# Altium PCB PCB_Layout_1.PcbDoc (part 2 of 3) (continued)
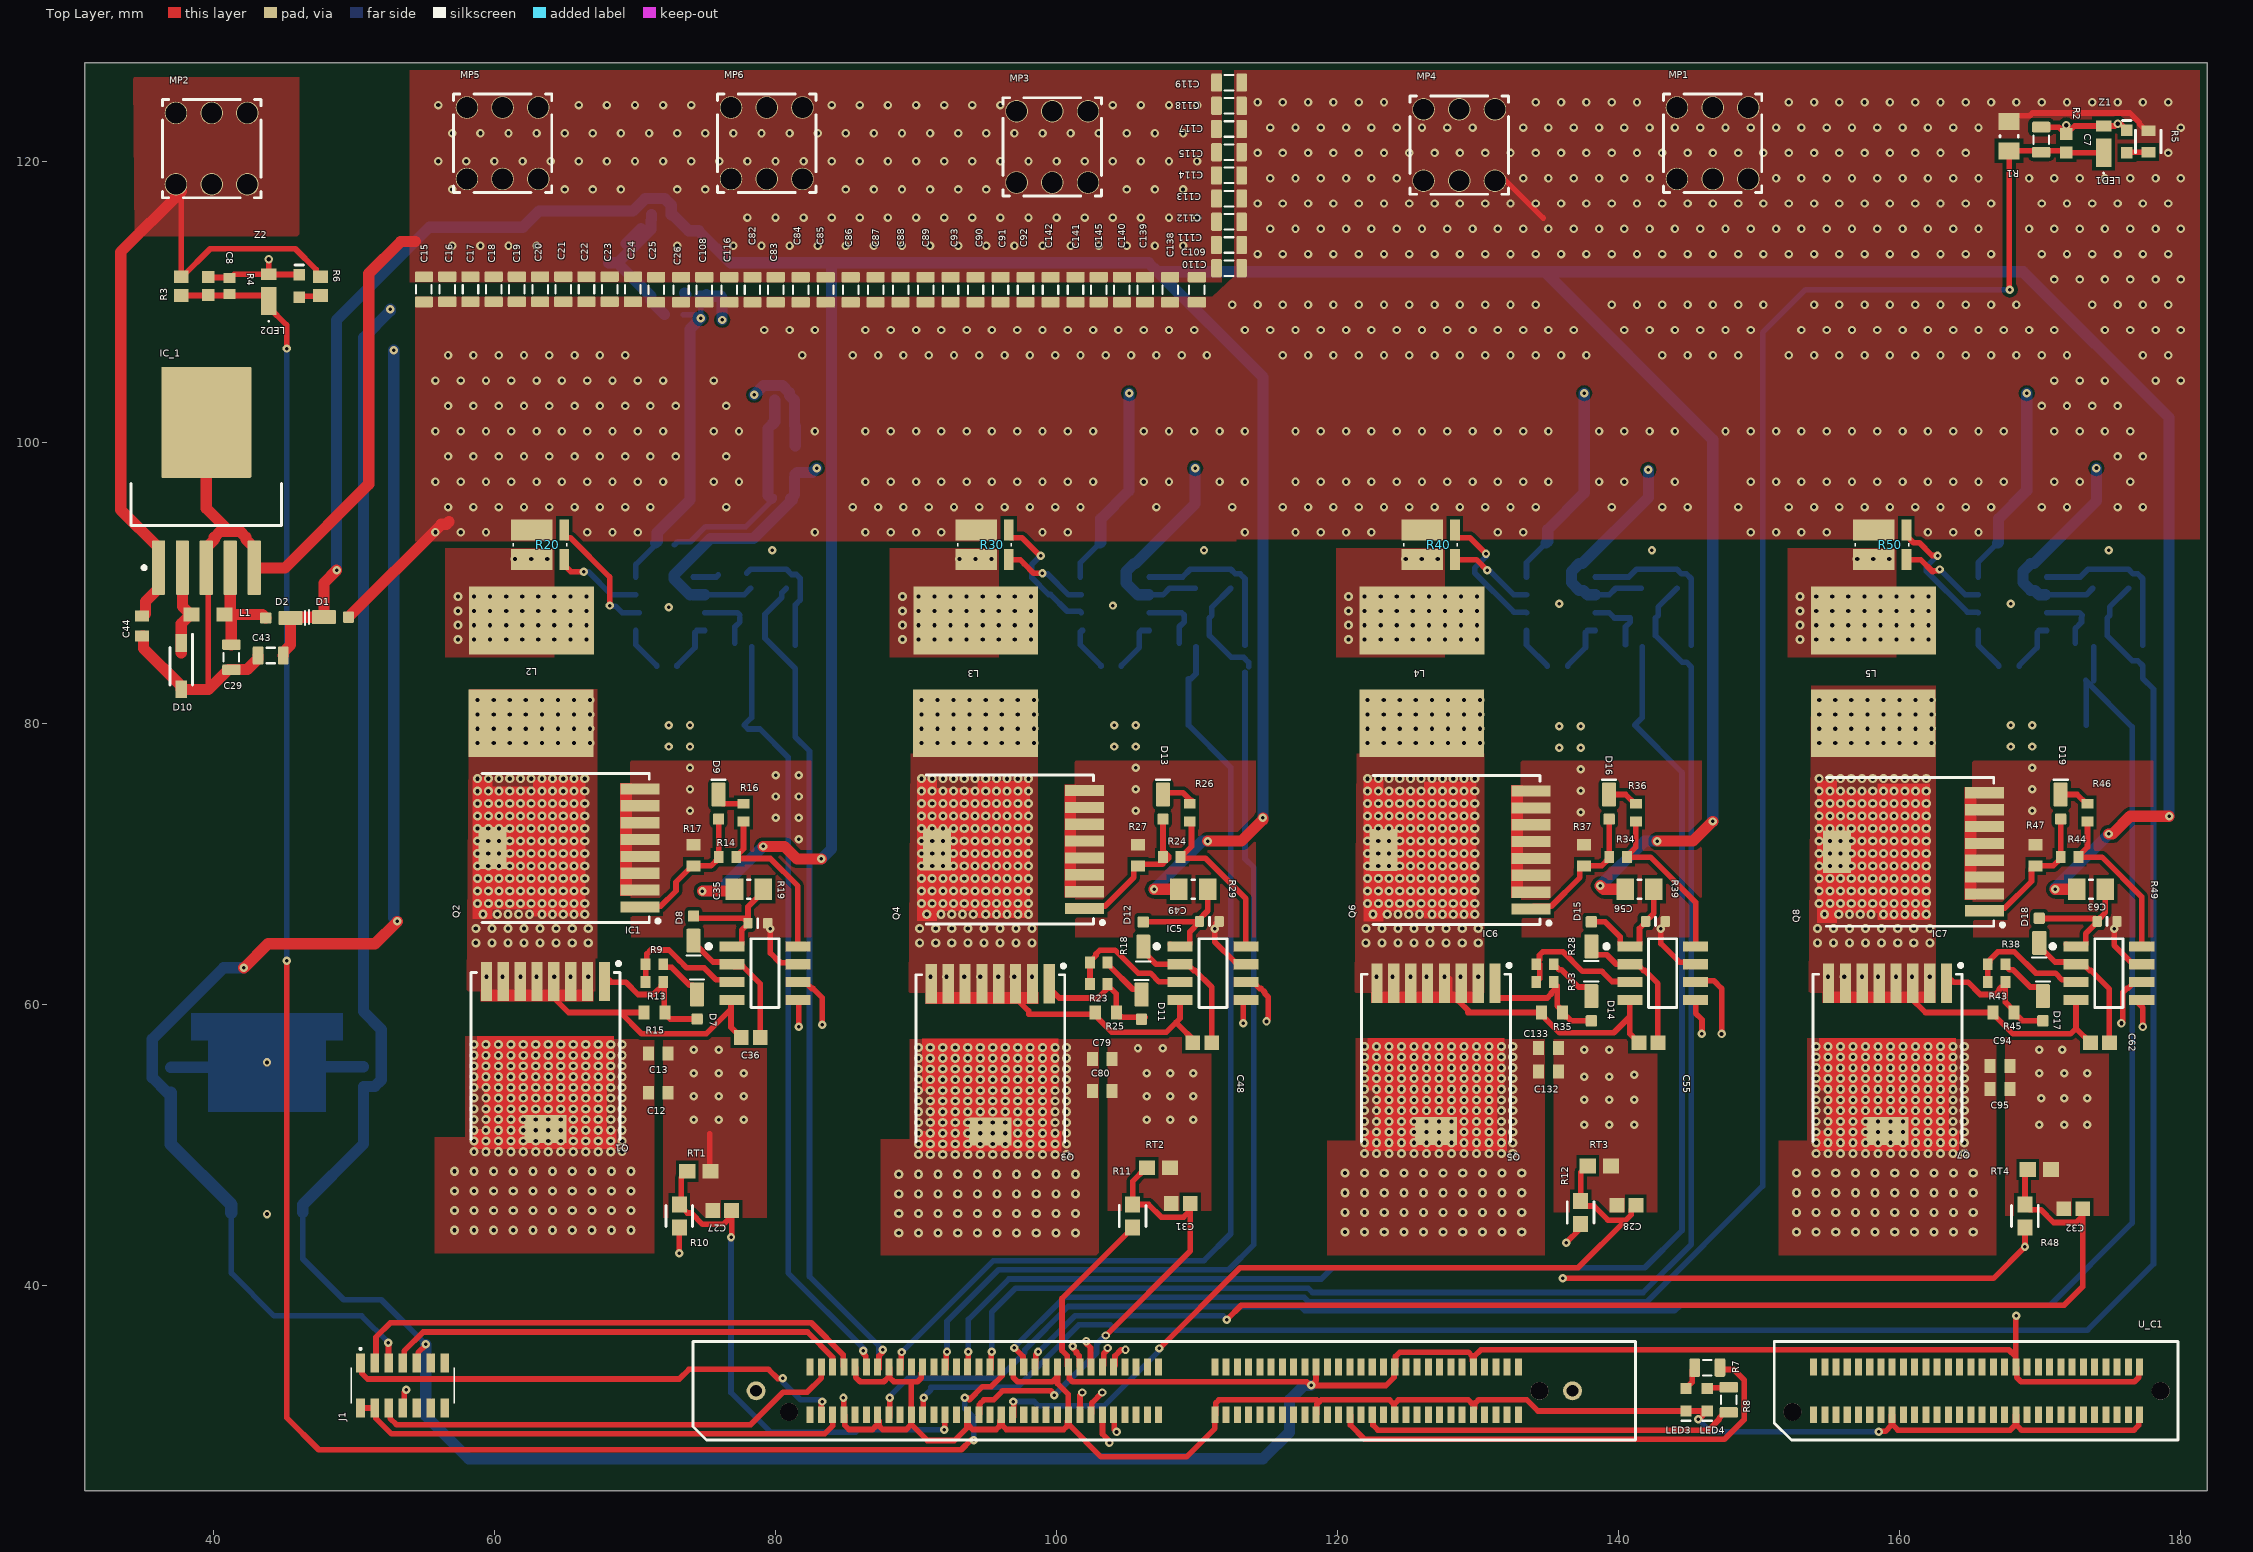
[diagram p0: Top Layer view]
## Nets (pads, with @x,y where several pads share a name; then routed paths per layer and width w, separated by ;. In a path a pad name is that pad's centre, name@x,y a point inside that pad or via, vN(x,y) a via of type N, cw(c..) or ccw(c..) an arc to the next point about the centre after c; other vN are vias at no path point) (continued)
AIN_12V: C7.2 R1.2 R2.2 U_C1.40 Z1.1 | length 156.3
  Top Layer w0.4: v5(96.978,35.56) 97.007,35.56 97.613,34.954 97.613,34.138 U_C1.40@97.663,34.088 ; v5(167.82,110.871) 167.778,110.914 R1.2@167.778,120.742 C7.2@171.842,120.742 ; C7.2@171.842,120.611 Z1.1@174.509,120.611
  Bottom Layer w0.4: v5(96.978,35.56) 96.978,35.596 100.547,39.165 117.625,39.165 117.939,38.851 142.011,38.851 150.241,47.081 150.241,107.823 153.289,110.871 v5(167.82,110.871)
AIN_48V: C8.2 R3.1 R4.2 U_C1.36 Z2.1 | length 143.6
  Top Layer w0.4: R3.1@37.719,110.45 43.592,110.45 43.942,110.1 Z2.1@43.942,110.071 43.942,109.621 45.212,108.351 v4(45.212,106.68) ; v4(45.212,63.119) 45.212,30.607 47.498,28.321 93.218,28.321 93.901,29.004 v4(94.107,29.004) ; v5(93.472,32.004) 93.668,32.004 93.795,31.877 94.725,32.807 95.35,32.807 96.115,33.572 U_C1.36@96.115,34.036
  Bottom Layer w0.4: v4(45.212,63.119) v4(45.212,106.68) ; v5(93.472,32.004) 93.472,31.242 94.107,30.607 v4(94.107,29.004)
GND: C1.2 C2.2 C3.2 C4.2 C5.2 C6.2 C7.1 C8.1 C9.2 C10.2 C11.2 C12.2 C13.2 C14.2 C15.2 C16.2 C17.2 C18.2 C19.2 C20.2 C21.2 C22.2 C23.2 C24.2 C25.2 C26.2 C27.2 C28.2 C29.2 C30.2 C31.2 C32.2 C33.2 C34.2 C35.1 C38.2 C39.2 C40.2 C41.2 C42.2 C43.2 C44.2 C45.2 C46.2 C47.2 C49.1 C51.2 C52.2 C53.2 C54.2 C56.1 C58.2 C59.2 C60.2 C61.2 C63.1 C65.2 C66.2 C67.2 C68.2 C69.2 C70.2 C71.2 C72.2 C73.2 C74.2 C75.2 C76.2 C77.2 C78.2 C79.2 C80.2 C81.2 C82.2 C83.2 C84.2 C85.2 C86.2 C87.2 C88.2 C89.2 C90.2 C91.2 C92.2 C93.2 C94.2 C95.2 C96.2 C97.2 C98.2 C99.2 C100.2 C101.2 C102.2 C103.2 C104.2 C105.2 C106.2 C107.2 C108.2 C109.2 C110.2 C111.2 C112.2 C113.2 C114.2 C115.2 C116.2 C117.2 C118.2 C119.2 C120.2 C121.2 C122.2 C123.2 C124.2 C125.2 C126.2 C127.2 C128.2 C129.2 C130.2 C131.2 C132.2 C133.2 C138.2 C139.2 C140.2 C141.2 C142.2 C145.2 D10.2 IC1.7 IC5.7 IC6.7 IC7.7 IC_1.3 IC_1.5 IC_1.6 IC_2.2 IC_2.4 IC_3.4 IC_4.3 J1.8 LED1.1 LED2.1 LED3.1 LED4.1 MP3.1 MP5.1 MP6.1 Q2.2 Q2.3 Q2.4 Q2.5 Q2.6 Q2.7 Q2.8 Q4.2 Q4.3 Q4.4 Q4.5 Q4.6 Q4.7 Q4.8 Q6.2 Q6.3 Q6.4 Q6.5 Q6.6 Q6.7 Q6.8 Q8.2 Q8.3 Q8.4 Q8.5 Q8.6 Q8.7 Q8.8 R2.1 R4.1 R17.2 R27.2 R37.2 R47.2 RT1.2 RT2.2 RT3.2 RT4.2 U1.5 U2.5 U3.5 U4.5 U_C1.7 U_C1.10 U_C1.13 U_C1.16 U_C1.19 U_C1.22 U_C1.29 U_C1.35 U_C1.38 U_C1.46 U_C1.47 U_C1.65 U_C1.83 U_C1.97 U_C1.111 U_C1.135 U_C1.157 U_C1.179 Z1.2 Z2.2 Z3.2 Z4.2 Z5.2 Z6.2 Z7.2 Z8.2 Z9.2 Z10.2 | length 354.4
  Top Layer w0.4: IC_1.3@39.497,91.082 39.624,90.955 39.624,82.45 39.65,82.424 ; C8.1@39.624,111.775 39.662,111.738 41.26,111.738 41.494,111.971 Z2.2@43.942,111.971 ; IC_1.5@42.897,91.059 IC_1.5@42.897,92.532 ; v2(43.942,113.03) 43.929,113.017 43.929,111.984 Z2.2@43.942,111.971 ; LED2.1@46.101,111.925 46.078,111.948 43.965,111.948 Z2.2@43.942,111.971 ; J1.8@53.467,31.292 53.572,31.397 53.572,32.398 53.721,32.547 v5(53.721,32.601) ; 75.311,50.8 75.311,48.271 RT1.2@75.525,48.057 ; C35.1@79.44,65.736 C35.1@79.44,65.786 ; v4(79.629,65.405) 79.629,63.662 80.299,62.992 80.391,62.992 80.404,62.979 81.474,62.979 IC1.7@81.588,62.865 ; v5(84.836,32.004) 84.85,31.99 84.85,30.826 U_C1.7@84.863,30.812 84.913,30.762 84.913,30.07 85.225,29.758 86.901,29.758 87.167,30.024 ; U_C1.10@85.663,34.212 85.713,34.162 85.713,33.47 86.025,33.158 87.701,33.158 88.013,33.47 ; U_C1.13@87.263,30.812 87.263,30.462 87.359,30.366 87.359,30.024 87.625,29.758 89.301,29.758 89.613,30.07 89.613,30.762 U_C1.19@89.663,30.812 89.663,33.032 89.789,33.158 ; U_C1.16@88.063,34.212 88.113,34.162 88.113,33.47 88.425,33.158 89.789,33.158 ; 89.713,30.07 90.808,28.975 92.729,28.975 93.613,29.859 93.613,30.762 U_C1.29@93.663,30.812 93.713,30.762 93.713,30.07 94.025,29.758 95.701,29.758 95.967,30.024 95.967,30.366 96.063,30.462 U_C1.35@96.063,30.812 96.113,30.762 96.113,30.07 96.425,29.758 100.501,29.758 100.767,30.024 100.767,30.366 100.817,30.416 100.913,30.416 100.913,30.07 103.17,27.813 109.24,27.813 111.263,29.836 U_C1.65@111.263,30.812 ; U_C1.22@90.463,34.212 90.463,33.862 90.367,33.766 90.367,33.424 90.101,33.158 89.789,33.158 ; U_C1.38@96.863,34.212 96.913,34.162 96.913,33.47 97.225,33.158 99.701,33.158 99.967,33.424 ; U_C1.46@100.063,34.212 100.063,33.033 100.838,32.258 100.838,30.837 U_C1.47@100.863,30.812 ; v4(111.252,65.405) 111.252,64.456 112.683,63.025 113.305,63.025 IC5.7@113.465,62.865 ; U_C1.65@111.313,30.812 111.313,31.632 111.547,31.866 118.513,31.866 118.669,31.71 ; C49.1@111.317,65.736 C49.1@111.317,65.786 ; U_C1.83@118.463,30.812 118.513,30.862 118.513,31.554 118.669,31.71 ; U_C1.97@124.063,30.812 124.013,30.862 124.013,31.554 ; 129.613,31.554 129.301,31.866 124.325,31.866 124.013,31.554 ; U_C1.111@129.663,30.812 129.663,31.162 129.759,31.258 129.759,31.6 130.025,31.866 133.469,31.866 134.258,31.077 LED3.1@144.78,31.077 LED4.1@146.304,31.077 145.707,30.48 v5(145.669,30.48) ; v4(143.002,65.405) 143.002,64.338 144.323,63.017 145.317,63.017 IC6.7@145.469,62.865 ; v5(158.496,29.591) 158.534,29.629 158.972,29.629 159.413,30.07 159.413,30.762 U_C1.135@159.463,30.812 159.513,30.762 159.513,30.07 159.865,29.718 167.862,29.718 168.214,30.07 168.214,30.762 U_C1.157@168.264,30.812 168.314,30.762 168.314,30.07 168.666,29.718 176.663,29.718 177.015,30.07 177.015,30.762 U_C1.179@177.065,30.812 ; R2.1@170.064,122.438 171.314,122.438 171.591,122.16 171.816,121.934 C7.1@171.842,121.934 ; v2(171.842,122.562) C7.1@171.842,121.934 ; v4(175.26,65.405) 175.26,64.202 176.437,63.025 177.059,63.025 IC7.7@177.219,62.865 ; v2@175.289,122.511 Z1.2@174.509,122.511 172.444,122.511 171.867,121.934 C7.1@171.842,121.934 ; v2(175.514,122.682) 175.552,122.644 175.727,122.644 LED1.1@176.16,122.211 ; 118.669,31.71 118.825,31.866 123.701,31.866 124.013,31.554
  Top Layer w0.8: C44.2@34.925,86.231 35.01,86.231 35.02,86.221 35.02,85.348 37.719,82.649 D10.2@37.719,82.424 39.65,82.424 41.065,83.839 42.412,83.839 43.179,84.606 C43.2@43.179,84.836 ; IC_1.3@39.497,91.082 39.497,92.532 40.068,93.103 40.068,93.247 40.482,93.661 41.125,93.661 ; IC_1.6@39.497,101.432 39.497,95.289 41.125,93.661 ; IC_1.5@42.897,91.059 45.085,91.059 51.054,97.028 51.054,112.014 53.34,114.3 54.356,114.3 ; IC_1.5@42.897,92.532 42.326,93.103 42.326,93.247 41.912,93.661 41.125,93.661
  Int2 (PWR) w0.4: v5(53.721,32.601) 53.759,32.639 73.859,32.639 74.86,33.64 79.216,33.64 80.205,32.651 84.189,32.651 v5(84.836,32.004)
  Bottom Layer w0.4: C40.2@72.811,92.71 73.022,92.921 73.936,92.921 75.027,94.011 77.887,94.011 79.891,96.015 C46.2@79.891,96.111 ; U1.5@74.148,90.424 U1.5@74.994,90.424 75.786,90.424 75.924,90.563 ; C41.2@77.946,90.686 C41.2@78.232,90.972 C39.2@80.772,90.972 81.143,90.601 81.485,90.601 81.751,90.335 81.751,88.785 81.407,88.441 Z4.2@81.407,85.555 ; U2.5@106.59,90.424 108.965,90.424 109.513,90.972 C52.2@112.395,90.972 112.72,90.647 113.062,90.647 113.411,90.298 Z6.2@113.411,85.555 ; U3.5@138.34,90.424 140.715,90.424 141.263,90.972 C59.2@144.145,90.972 144.47,90.647 144.812,90.647 145.161,90.298 Z8.2@145.161,85.555 ; v5(145.669,30.48) 146.558,29.591 v5(158.496,29.591) ; U4.5@170.471,90.424 172.846,90.424 173.394,90.972 C66.2@176.276,90.972 176.601,90.647 176.943,90.647 177.292,90.298 Z10.2@177.292,85.555
  Bottom Layer w0.8: C33.2@36.957,55.511 36.977,55.531 43.466,55.531 v2(43.815,55.88) ; IC_2.4@44.431,56.496 v2(43.815,55.88) ; C30.2@50.673,55.564 44.131,55.564 v2(43.815,55.88) ; IC_3.4@68.131,112.776 IC_3.4@68.756,112.776 ; IC_3.4@69.371,114.144 IC_3.4@70.433,115.207 ; C34.2@71.182,116.205 71.182,115.827 71.131,115.776 71.131,115.151 IC_3.4@68.756,112.776 ; C47.2@72.096,109.093 71.131,110.058 71.131,110.401 IC_3.4@68.756,112.776 ; C46.2@79.691,96.007 79.468,96.23 79.468,100.991 79.945,101.468 C45.2@79.945,102.992
  other v2: 43.815,45.085 57,114 59,114 61,114 63,114 73,114 77,114 79,114 81,114 83,114 85,114 87,114 89,114 91,114 93,114 95,114 97,114 99,114 101,114 103,114 105,114 107,114 109,114 78,116 80,116 82,116 84,116 86,116 88,116 90,116 92,116 94,116 96,116 98,116 100,116 102,116 104,116 106,116 108,116 110,116 57,118 65,118 67,118 69,118 73,118 75,118 85,118 87,118 89,118 91,118 93,118 95,118 105,118 107,118 109,118 56,120 58,120 60,120 62,120 64,120 66,120 68,120 70,120 72,120 74,120 76,120 78,120 80,120 82,120 84,120 86,120 88,120 90,120 92,120 94,120 96,120 98,120 100,120 102,120 104,120 106,120 108,120 110,120 57,122 59,122 61,122 63,122 65,122 67,122 69,122 71,122 73,122 75,122 77,122 79,122 81,122 83,122 85,122 87,122 89,122 91,122 93,122 95,122 97,122 99,122 101,122 103,122 105,122 107,122 109,122 56,124 66,124 68,124 70,124 72,124 74,124 84,124 86,124 88,124 90,124 92,124 94,124 96,124 104,124 106,124 108,124 110,124
  other v4: 137.541,51.435 139.319,51.435 141.097,51.435 169.926,51.435 171.704,51.435 173.355,51.435 74.168,51.816 75.946,51.816 77.724,51.816 106.426,51.816 108.077,51.816 109.728,51.816 137.541,53.213 139.319,53.213 141.097,53.213 170.053,53.34 171.704,53.34 173.355,53.34 74.168,53.467 75.946,53.467 77.724,53.467 106.426,53.467 108.077,53.467 109.728,53.467 137.541,54.864 139.319,54.864 141.097,54.991 74.168,55.118 75.946,55.118 77.724,55.118 106.426,55.118 108.077,55.118 109.728,55.118 169.926,55.118 171.704,55.118 173.355,55.118 74.168,56.769 75.946,56.769 137.541,56.769 139.319,56.769 169.926,56.769 171.577,56.769 105.791,56.896 107.569,56.896 81.661,71.755 80.01,73.279 81.661,73.279 137.287,73.697 73.914,73.787 105.627,73.787 169.418,73.787 80.01,74.803 81.661,74.803 137.287,75.221 73.914,75.311 105.627,75.311 169.418,75.311 80.01,76.327 81.661,76.327 137.287,76.745 73.914,76.835 105.627,76.835 169.418,76.835 135.763,78.269 137.287,78.269 72.39,78.359 73.914,78.359 104.103,78.359 105.627,78.359 167.894,78.359 169.418,78.359 135.763,79.793 137.287,79.793 72.39,79.883 73.914,79.883 104.103,79.883 105.627,79.883 167.894,79.883 169.418,79.883 72.39,88.265 104.013,88.392 135.763,88.519 167.894,88.519 79.756,92.329 110.49,92.329 142.367,92.329 174.879,92.329
"Green Led": R7.1 U_C1.89 | length 34.7
  Top Layer w0.4: U_C1.89@120.863,30.812 120.913,30.762 120.913,30.07 121.919,29.064 147.531,29.064 148.932,30.465 148.932,33.279 148.184,34.027 147.34,34.027 R7.1@147.204,34.163
IL_1: C38.1 R21.2 U_C1.12 Z3.1 | length 56
  Top Layer w0.4: v5(86.233,35.369) 86.233,35.179 86.419,34.993 86.419,34.132 U_C1.12@86.515,34.036
  Bottom Layer w0.4: R21.2@78.301,85.471 78.301,83.185 78.301,80.42 C38.1@77.764,79.883 78.04,79.607 78.889,79.607 80.899,77.597 80.899,41.91 80.899,40.894 86.36,35.433 v5@86.36,35.179
IL_2: C51.1 R31.2 U_C1.18 Z5.1 | length 71.7
  Top Layer w0.4: U_C1.18@88.915,34.036 88.959,34.08 88.959,35.238 v5(88.993,35.272)
  Bottom Layer w0.4: v5@88.9,35.179 v5(88.993,35.272) 95.502,41.781 110.488,41.781 112.395,43.688 112.395,76.875 C51.1@109.387,79.883 109.387,83.183 109.385,83.185 109.574,83.185 109.924,83.535 R31.2@109.924,85.471
IL_3: C58.1 R41.2 U_C1.30 Z7.1 | length 100.1
  Top Layer w0.4: U_C1.30@93.715,34.036 93.726,34.047 v5(93.726,35.306)
  Bottom Layer w0.4: v5(93.726,35.306) 93.726,37.592 96.607,40.473 118.832,40.473 119.626,41.267 141.851,41.267 144.507,43.923 144.507,76.513 C58.1@141.137,79.883 141.674,80.42 R41.2@141.674,85.471
IL_4: C65.1 R51.2 U_C1.15 Z9.1 | length 140.8
  Top Layer w0.4: U_C1.15@88.115,30.636 88.127,30.648 88.127,31.993 v5(88.138,32.004)
  Bottom Layer w0.4: v5@88.138,32.131 89.419,33.412 95.896,33.412 97.732,35.248 97.732,35.425 100.818,38.511 117.354,38.511 117.668,38.197 143.972,38.197 144.375,38.6 170.68,38.6 176.53,44.45 176.53,79.756 Z9.1@173.268,83.018 ; Z9.1@173.228,83.058 Z9.1@173.268,83.018 ; C65.1@173.268,79.883 Z9.1@173.268,83.018 ; Z9.1@173.805,83.058 R51.2@173.805,85.471
IL_AVG_1: C39.1 R22.2 U_C1.14 Z4.1 | length 60
  Top Layer w0.4: U_C1.14@87.315,34.036 87.359,34.08 87.359,35 87.63,35.271 v5(87.63,35.433)
  Bottom Layer w0.4: C39.1@80.772,89.622 80.447,89.297 80.447,88.971 79.249,87.773 79.249,86.066 81.407,83.908 Z4.1@81.407,83.655 81.407,79.04 82.415,78.032 82.415,41.529 82.415,40.648 87.36,35.703 87.36,35.163
IL_AVG_2: C52.1 R32.2 U_C1.26 Z6.1 | length 76.4
  Top Layer w0.4: U_C1.26@92.115,34.036 92.159,34.08 92.159,35.263 v5(92.202,35.306)
  Bottom Layer w0.4: v5(92.202,35.306) 92.202,37.465 95.864,41.127 112.247,41.127 114.038,42.918 114.038,69.75 113.411,70.377 Z6.1@113.411,83.655 ; C52.1@112.395,89.622 111.052,88.279 111.052,87.683 R32.2@110.872,87.503 110.872,86.263 112.434,84.701 113.315,84.701 113.665,84.351 Z6.1@113.665,84.036
IL_AVG_3: C59.1 R42.2 U_C1.34 Z8.1 | length 104.7
  Top Layer w0.4: U_C1.34@95.315,34.036 95.359,34.08 95.359,35.288 v5(95.377,35.306)
  Bottom Layer w0.4: v5(95.377,35.306) 95.377,38.1 97.096,39.819 117.896,39.819 118.21,39.505 141.74,39.505 145.161,42.926 145.161,84.016 144.811,84.366 144.509,84.366 142.622,86.253 R42.2@142.622,87.503 142.802,87.683 142.802,88.279 C59.1@144.145,89.622
IL_AVG_4: C66.1 R52.2 U_C1.21 Z10.1 | length 143.7
  Top Layer w0.4: U_C1.21@90.515,30.636 90.515,31.984 v5(90.543,32.012)
  Bottom Layer w0.4: v5(90.543,32.012) 90.543,32.066 91.043,32.566 91.043,32.758 97.197,32.758 100.384,35.945 100.384,36.007 101.58,37.203 103.817,37.203 104.19,36.83 173.355,36.83 178.054,41.529 178.054,82.443 177.292,83.205 Z10.1@177.292,83.655 177.292,84.105 176.942,84.455 176.551,84.455 174.753,86.253 R52.2@174.753,87.503 174.933,87.683 174.933,88.279 C66.1@176.276,89.622
JTAG-EMU0: U_C1.2
JTAG-EMU1: U_C1.1
JTAG-TCK: J1.2 J1.4 U_C1.5 | length 35.7
  Top Layer w0.4: J1.2@50.467,31.292 J1.4@51.467,31.292 51.572,31.187 51.572,30.555 52.679,29.448 83.492,29.448 84.065,30.021 U_C1.5@84.065,30.713
JTAG-TDI: J1.3 U_C1.8 | length 37.4
  Top Layer w0.4: J1.3@51.467,34.494 51.572,34.599 51.572,36.332 52.597,37.357 82.538,37.357 84.813,35.082 84.813,34.265 U_C1.8@84.865,34.213
JTAG-TDO: J1.7 U_C1.6 | length 33.4
  Top Layer w0.4: J1.7@53.467,34.494 53.572,34.599 53.572,35.334 54.933,36.695 82.275,36.695 84.065,34.905 U_C1.6@84.065,34.213
JTAG-TMS: J1.1 U_C1.3 | length 36.1
  Top Layer w0.4: J1.1@50.467,34.494 50.572,34.389 50.572,33.757 50.974,33.355 73.15,33.355 73.831,34.036 79.502,34.036 80.159,33.379 80.491,33.379 v4(80.517,33.405) ; v5(83.312,31.75) 83.265,31.703 83.265,30.686 U_C1.3@83.315,30.636
  Bottom Layer w0.4: v4(80.517,33.405) 80.518,33.404 80.518,33.147 81.788,31.877 v5@83.185,31.877
JTAG-TRSTn: J1.6 U_C1.4 | length 33.7
  Top Layer w0.4: J1.6@52.467,31.292 52.572,31.187 52.572,30.555 53.025,30.102 78.235,30.102 80.551,32.418 82.262,32.418 83.265,33.421 U_C1.4@83.265,34.113
NetC29_1: C29.1 D2.2 IC_1.4 L1.2 | length 8.2
  Top Layer w0.8: L1.2@40.799,87.757 L1.2@40.974,87.757 ; IC_1.4@41.197,91.082 41.197,88.08 40.974,87.857 L1.2@40.974,87.757 ; C29.1@41.275,85.609 L1.2@41.275,87.356 ; D2.2@43.731,87.503 43.477,87.757 L1.2@40.974,87.757
NetC35_2: C35.2 D8.2 IC1.1 R19.2 | length 9.4
  Top Layer w0.4: D8.2@74.295,66.139 77.737,66.139 78.04,65.836 C35.2@78.04,65.786 ; IC1.1@76.908,64.135 77.438,64.135 77.598,64.295 77.598,65.294 78.04,65.736 C35.2@78.04,65.786 ; C35.2@77.943,65.689 C35.2@78.04,65.786 ; R19.2@79.13,68.199 79.13,68.049 78.04,66.959 C35.2@78.04,65.786
NetC36_1: C36.1 IC1.4 L2.1 Q1.2 Q1.3 Q1.4 Q1.5 Q1.6 Q1.7 Q1.8 Q2.9 R15.2 | length 19.6
  Top Layer w0.4: Q1.4@64.135,60.579 65.278,59.436 68.961,59.436 ; R15.2@70.636,59.436 68.961,59.436 ; IC1.4@76.487,60.325 IC1.4@76.908,60.325 76.835,60.252 76.835,59.69 ; C36.1@77.557,57.658 76.835,58.38 76.835,59.69 ; 68.961,59.436 70.485,57.912 75.057,57.912 76.835,59.69
  other v1: 59.436,61.976 60.579,61.976 61.849,61.976 62.992,61.976 64.262,61.976 65.405,61.976 66.675,61.976 58.674,64.389 59.817,64.389 60.96,64.389 62.103,64.389 63.246,64.389 64.389,64.389 65.532,64.389 66.675,64.389 58.674,65.405 59.817,65.405 60.96,65.405 62.103,65.405 63.246,65.405 64.389,65.405 65.532,65.405 66.675,65.405 59.182,66.421 60.198,66.421 60.96,66.421 61.722,66.421 62.484,66.421 63.373,66.421 64.135,66.421 64.897,66.421 65.659,66.421 66.421,66.421 58.801,67.183 59.563,67.183 60.325,67.183 61.087,67.183 61.849,67.183 62.611,67.183 63.373,67.183 64.135,67.183 64.897,67.183 65.659,67.183 66.421,67.183 58.801,68.072 59.563,68.072 60.325,68.072 61.087,68.072 61.849,68.072 62.611,68.072 63.373,68.072 64.135,68.072 64.897,68.072 65.659,68.072 66.421,68.072 58.801,68.961 59.563,68.961 60.325,68.961 61.087,68.961 61.849,68.961 62.611,68.961 63.373,68.961 64.135,68.961 64.897,68.961 65.659,68.961 66.421,68.961 58.801,69.85 59.563,69.85 60.325,69.85 61.087,69.85 61.849,69.85 62.611,69.85 63.373,69.85 64.135,69.85 64.897,69.85 65.659,69.85 66.421,69.85 58.801,70.739 59.563,70.739 60.325,70.739 61.087,70.739 61.849,70.739 62.611,70.739 63.373,70.739 64.135,70.739 64.897,70.739 65.659,70.739 66.421,70.739 58.801,71.628 59.563,71.628 60.325,71.628 61.087,71.628 61.849,71.628 62.611,71.628 63.373,71.628 64.135,71.628 64.897,71.628 65.659,71.628 66.421,71.628 58.801,72.517 59.563,72.517 60.325,72.517 61.087,72.517 61.849,72.517 62.611,72.517 63.373,72.517 64.135,72.517 64.897,72.517 65.659,72.517 66.421,72.517 58.801,73.406 59.563,73.406 60.325,73.406 61.087,73.406 61.849,73.406 62.611,73.406 63.373,73.406 64.135,73.406 64.897,73.406 65.659,73.406 66.421,73.406 58.801,74.295 59.563,74.295 60.325,74.295 61.087,74.295 61.849,74.295 62.611,74.295 63.373,74.295 64.135,74.295 64.897,74.295 65.659,74.295 66.421,74.295 58.801,75.184 59.563,75.184 60.325,75.184 61.087,75.184 61.849,75.184 62.611,75.184 63.373,75.184 64.135,75.184 64.897,75.184 65.659,75.184 66.421,75.184 58.801,76.073 59.563,76.073 60.325,76.073 61.087,76.073 61.849,76.073 62.611,76.073 63.373,76.073 64.135,76.073 64.897,76.073 65.659,76.073 66.421,76.073 58.801,78.613 59.944,78.613 61.087,78.613 62.23,78.613 63.373,78.613 64.516,78.613 65.659,78.613 66.802,78.613 58.801,79.629 59.944,79.629 61.087,79.629 62.23,79.629 63.373,79.629 64.516,79.629 65.659,79.629 66.802,79.629 58.801,80.645 59.944,80.645 61.087,80.645 62.23,80.645 63.373,80.645 64.516,80.645 65.659,80.645 66.802,80.645 58.801,81.661 59.944,81.661 61.087,81.661 62.23,81.661 63.373,81.661 64.516,81.661 65.659,81.661 66.802,81.661
NetC36_2: C36.2 D8.1 IC1.2 | length 9.9
  Top Layer w0.4: D8.1@74.106,64.482 75.563,63.025 76.748,63.025 IC1.2@76.908,62.865 77.068,62.705 77.69,62.705 78.907,61.488 C36.2@78.907,57.658
NetC37_1: C37.1 U1.1 | length 3.1
  Bottom Layer w0.4: U1.1@70.067,86.614 70.067,85.595 71.538,84.124 C37.1@71.538,84.074
NetC37_2: C37.2 U1.8 | length 3.7
  Bottom Layer w0.4: C37.2@72.988,84.074 72.988,84.124 74.267,85.403 74.267,86.475 74.406,86.614 U1.8@74.967,86.614
NetC48_1: C48.1 IC5.4 L3.1 Q3.2 Q3.3 Q3.4 Q3.5 Q3.6 Q3.7 Q3.8 Q4.9 R25.2 | length 17.7
  Top Layer w0.4: Q3.3@97.085,61.468 97.085,60.468 98.009,59.544 98.009,59.309 102.755,59.309 102.755,59.209 103.925,58.039 107.81,58.039 108.495,58.724 ; IC5.4@108.785,60.325 108.785,59.014 108.495,58.724 ; C48.1@109.942,57.277 108.495,58.724
  other v1: 91.019,61.976 92.162,61.976 93.432,61.976 94.575,61.976 95.845,61.976 96.988,61.976 98.258,61.976 90.257,64.389 91.4,64.389 92.543,64.389 93.686,64.389 94.829,64.389 95.972,64.389 97.115,64.389 98.258,64.389 90.257,65.405 91.4,65.405 92.543,65.405 93.686,65.405 94.829,65.405 95.972,65.405 97.115,65.405 98.258,65.405 90.765,66.421 91.781,66.421 92.543,66.421 93.305,66.421 94.067,66.421 94.956,66.421 95.718,66.421 96.48,66.421 97.242,66.421 98.004,66.421 90.384,67.183 91.146,67.183 91.908,67.183 92.67,67.183 93.432,67.183 94.194,67.183 94.956,67.183 95.718,67.183 96.48,67.183 97.242,67.183 98.004,67.183 90.384,68.072 91.146,68.072 91.908,68.072 92.67,68.072 93.432,68.072 94.194,68.072 94.956,68.072 95.718,68.072 96.48,68.072 97.242,68.072 98.004,68.072 90.384,68.961 91.146,68.961 91.908,68.961 92.67,68.961 93.432,68.961 94.194,68.961 94.956,68.961 95.718,68.961 96.48,68.961 97.242,68.961 98.004,68.961 90.384,69.85 91.146,69.85 91.908,69.85 92.67,69.85 93.432,69.85 94.194,69.85 94.956,69.85 95.718,69.85 96.48,69.85 97.242,69.85 98.004,69.85 90.384,70.739 91.146,70.739 91.908,70.739 92.67,70.739 93.432,70.739 94.194,70.739 94.956,70.739 95.718,70.739 96.48,70.739 97.242,70.739 98.004,70.739 90.384,71.628 91.146,71.628 91.908,71.628 92.67,71.628 93.432,71.628 94.194,71.628 94.956,71.628 95.718,71.628 96.48,71.628 97.242,71.628 98.004,71.628 90.384,72.517 91.146,72.517 91.908,72.517 92.67,72.517 93.432,72.517 94.194,72.517 94.956,72.517 95.718,72.517 96.48,72.517 97.242,72.517 98.004,72.517 90.384,73.406 91.146,73.406 91.908,73.406 92.67,73.406 93.432,73.406 94.194,73.406 94.956,73.406 95.718,73.406 96.48,73.406 97.242,73.406 98.004,73.406 90.384,74.295 91.146,74.295 91.908,74.295 92.67,74.295 93.432,74.295 94.194,74.295 94.956,74.295 95.718,74.295 96.48,74.295 97.242,74.295 98.004,74.295 90.384,75.184 91.146,75.184 91.908,75.184 92.67,75.184 93.432,75.184 94.194,75.184 94.956,75.184 95.718,75.184 96.48,75.184 97.242,75.184 98.004,75.184 90.384,76.073 91.146,76.073 91.908,76.073 92.67,76.073 93.432,76.073 94.194,76.073 94.956,76.073 95.718,76.073 96.48,76.073 97.242,76.073 98.004,76.073 90.384,78.613 91.527,78.613 92.67,78.613 93.813,78.613 94.956,78.613 96.099,78.613 97.242,78.613 98.385,78.613 90.384,79.629 91.527,79.629 92.67,79.629 93.813,79.629 94.956,79.629 96.099,79.629 97.242,79.629 98.385,79.629 90.384,80.645 91.527,80.645 92.67,80.645 93.813,80.645 94.956,80.645 96.099,80.645 97.242,80.645 98.385,80.645 90.384,81.661 91.527,81.661 92.67,81.661 93.813,81.661 94.956,81.661 96.099,81.661 97.242,81.661 98.385,81.661
NetC48_2: C48.2 D12.1 IC5.2 | length 9.7
  Top Layer w0.4: D12.1@106.172,64.12 106.172,63.77 107.077,62.865 IC5.2@108.785,62.865 ; IC5.2@109.315,62.865 109.758,62.422 109.85,62.422 111.038,61.234 C48.2@111.038,57.277
NetC49_2: C49.2 D12.2 IC5.1 R29.2 | length 9.7
  Top Layer w0.4: D12.2@106.172,65.87 106.193,65.891 110.15,65.891 C49.2@110.171,65.913 110.171,65.863 109.475,65.167 109.475,64.295 109.315,64.135 IC5.1@108.785,64.135 108.255,64.135 IC5.1@108.095,64.295 ; C49.2@110.107,66.026 110.753,66.672 R29.2@110.753,68.072
NetC50_1: C50.1 U2.1 | length 3.3
  Bottom Layer w0.4: U2.1@101.854,86.614 101.782,86.614 101.69,86.522 101.69,85.595 103.161,84.124 C50.1@103.161,84.074
NetC50_2: C50.2 U2.8 | length 3.7
  Bottom Layer w0.4: C50.2@104.611,84.074 104.611,84.124 105.89,85.403 105.89,86.475 106.029,86.614 U2.8@106.554,86.614 U2.8@106.59,86.614